# Altium PCB LaserControlBoard (bottom).PcbDoc (part 1 of 3)
Units mm, origin at the board's own origin, x right, y up, seen from the top; angles counter-clockwise.
Board outline 192.5 x 156.5 mm, 2 copper layers (Top Layer, Bottom Layer); 42 components, 313 nets, 114 pads, 1616 vias.
Unrouted connection lines stored in the file: 16.
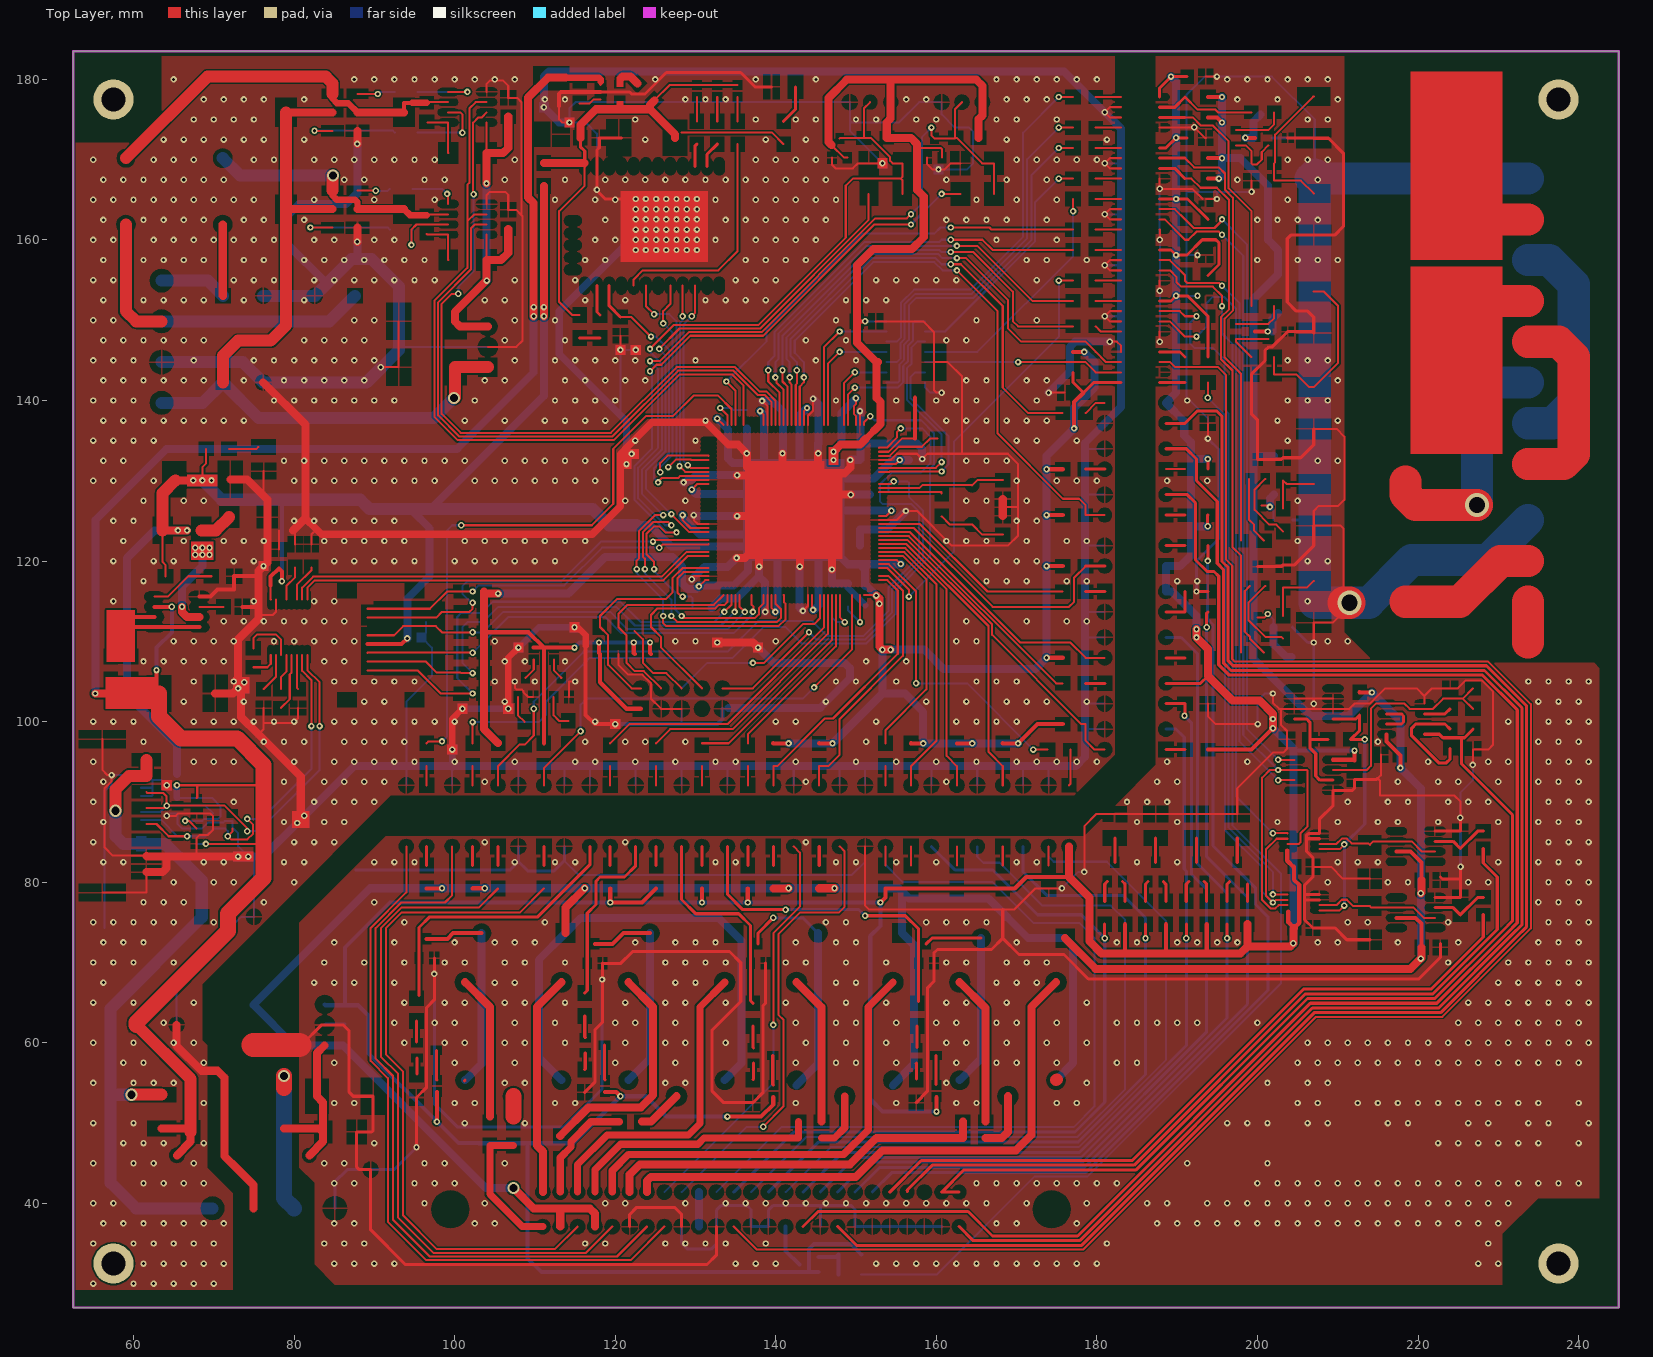
[diagram p0: Top Layer view]
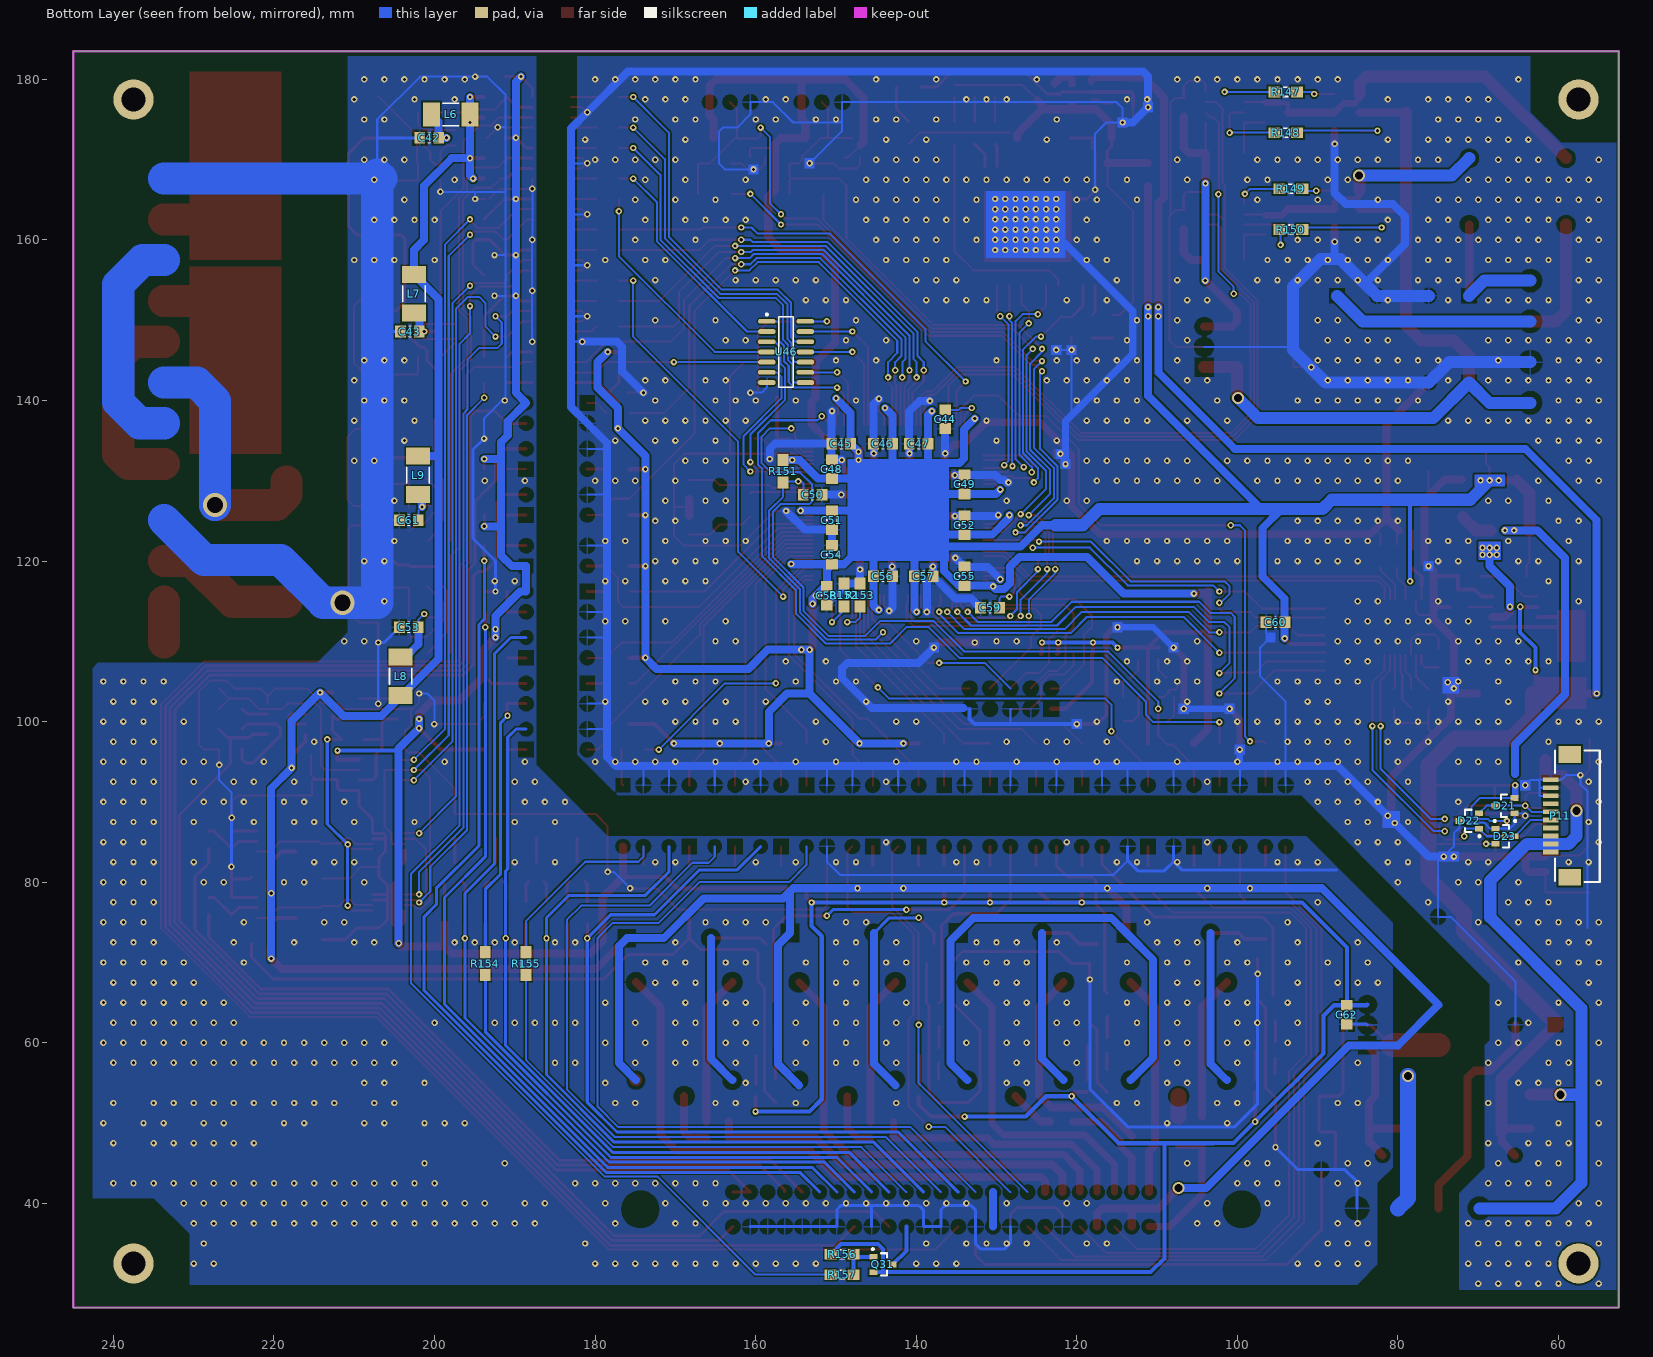
[diagram p1: Bottom Layer view, seen from below]
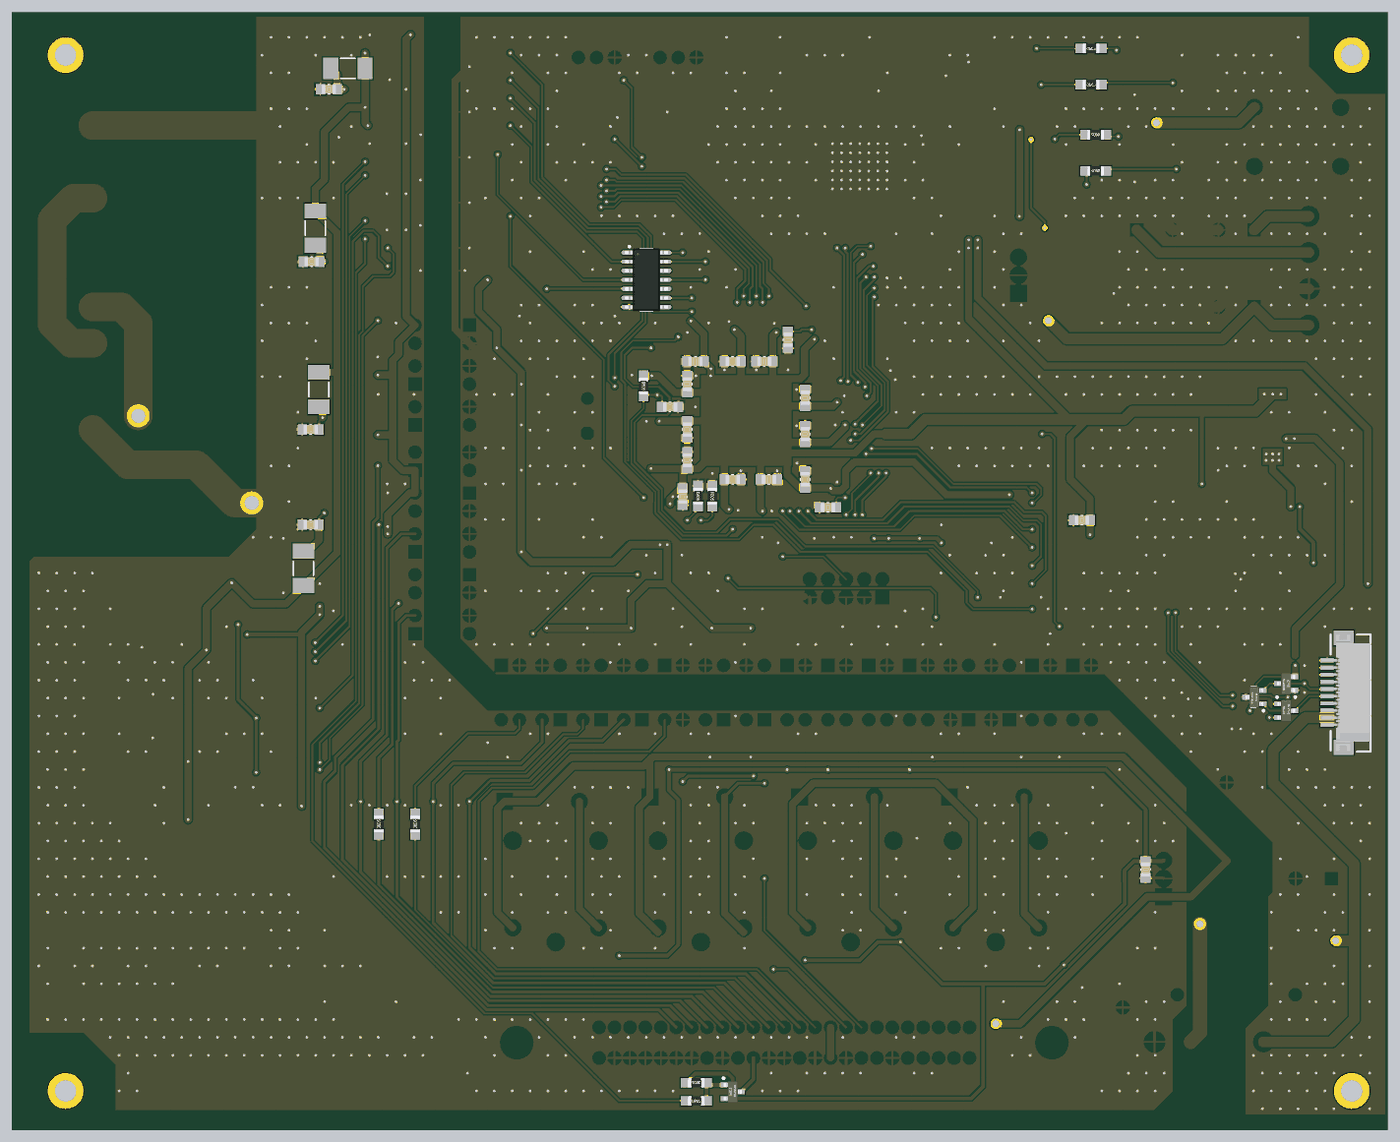
[diagram p4: 3D render of the assembled board from below, using the file's embedded part models]

## Layer stack, top to bottom
Top Solder: solder mask 0.0102, Solder Resist, Dk 3.5
Top Layer: signal copper 0.0356
Dielectric 1: dielectric 0.32, FR-4, Dk 4.8
Bottom Layer: signal copper 0.0356
Bottom Solder: solder mask 0.0102, Solder Resist, Dk 3.5

## Board outline
52.5,27 245,27 245,183.5 52.5,183.5

## Design rules (kind name [scope] priority, off if disabled: settings)
Clearance [All] p1: gap=0.2
DiffPairsRouting [All] p1: maxlimit=0.254 minlimit=0.254 mostfreqgap=0.254 toplayer_minwidth=0.254 toplayer_maxwidth=0.381 toplayer_prefwidth=0.381 bottomlayer_minwidth=0.254 bottomlayer_maxwidth=0.381 bottomlayer_prefwidth=0.381 maxuncoupledlength=12.7
HoleSize [All] p1: absolutevalues=TRUE maxlimit=8 minlimit=0.4 maxpercent=80.000 minpercent=20.000
MinimumSolderMaskSliver [All] p1: minsoldermaskwidth=0
PlaneConnect [InNet('GND')] p1: planeconnectstyle=Relief reliefexpansion=0.508 reliefentries=4 reliefconductorwidth=0.254 reliefairgap=0.254
PlaneConnect PlaneConnect_IGND [InPadClass('All Pads')] p2: planeconnectstyle=Relief reliefexpansion=0.508 reliefentries=4 reliefconductorwidth=0.254 reliefairgap=0.254
PolygonConnect PolygonConnect_IGND_Via [All vs IsVia] p1: connectstyle=Direct reliefconductorwidth=0.254 reliefentries=4 polygonreliefangle="90 Angle" airgapwidth=0.254
PolygonConnect PolygonConnect_IGND [InNet('IGND') vs InNet('IGND')] p2: connectstyle=Relief reliefconductorwidth=0.254 reliefentries=4 polygonreliefangle="90 Angle" airgapwidth=0.254
PolygonConnect [InNet('GND') vs InNet('GND')] p3: connectstyle=Relief reliefconductorwidth=0.254 reliefentries=4 polygonreliefangle="90 Angle" airgapwidth=0.254
RoomDefinition MCU [InComponentClass('MCU')] p1: confinementstyle=ConfineIn formatcopy=TRUE lockcomponents=FALSE outline 172.72,99.06 172.72,182.245 144.145,182.245 144.145,146.05 108.585,146.05 108.585,135.89 83.185,135.89 83.185,99.06 101.092,99.06 101.092,93.345 117.475,93.345 117.475,97.79 138.811,97.79 138.811,99.06
RoomDefinition Peltier [InComponentClass('Peltier')] p2: confinementstyle=ConfineIn formatcopy=TRUE lockcomponents=FALSE outline 244.475,106.68 244.475,182.245 172.72,182.245 172.72,166.37 196.215,166.37 196.415,101.727 205.994,101.727 205.994,106.68
RoomDefinition Audio [InComponentClass('Audio')] p3: confinementstyle=ConfineIn formatcopy=TRUE lockcomponents=FALSE outline 52.578,135.89 108.585,135.89 108.585,182.245 52.578,182.245
RoomDefinition Power [InComponentClass('Power')] p4: confinementstyle=ConfineIn formatcopy=TRUE lockcomponents=FALSE outline 52.705,28.575 91.44,28.575 91.44,42.545 93.98,42.545 93.98,48.26 91.44,48.26 91.44,99.06 83.185,99.06 83.185,135.89 52.705,135.89
RoomDefinition MISC [InComponentClass('MISC')] p5: confinementstyle=ConfineIn formatcopy=TRUE lockcomponents=FALSE outline 91.44,0 181.864,0 181.864,66.675 178.435,66.675 178.435,76.835 149.479,76.835 149.479,99.06 91.44,99.06
RoomDefinition LaserInterface [InComponentClass('LaserInterface')] p6: confinementstyle=ConfineIn formatcopy=TRUE lockcomponents=FALSE outline 244.475,106.68 196.215,106.68 196.215,166.37 172.72,166.37 172.72,123.825 195.58,123.825 195.58,94.615 201.93,94.615 201.93,66.675 244.475,66.675
RoomDefinition LAMP [InComponentClass('LAMP')] p7: confinementstyle=ConfineIn formatcopy=TRUE lockcomponents=FALSE outline 201.93,66.675 201.93,94.615 195.58,94.615 195.58,123.825 172.72,123.825 172.72,99.06 149.479,99.06 149.479,76.835 151.765,76.835 178.435,76.835 178.435,66.675
RoomDefinition WiFi [InComponentClass('WiFi')] p8: confinementstyle=ConfineIn formatcopy=TRUE lockcomponents=FALSE outline 108.585,182.245 108.585,146.05 144.145,146.05 144.145,182.245
RoutingVias [InNetClass('SignalNets')] p1: holewidth=0.5 width=0.9 viastyle="Through Hole" minholewidth=0.4 minwidth=0.8 maxholewidth=4 maxwidth=6
RoutingVias RoutingVias_PowerNets [InNetClass('AnalogPowerNets')] p2: holewidth=1 width=1.4 viastyle="Through Hole" minholewidth=0.5 minwidth=1 maxholewidth=1 maxwidth=1.4
RoutingVias RoutingVias_AnalogPowerNets [InNetClass('AnalogPowerNets')] p3: holewidth=0.5 width=0.9 viastyle="Through Hole" minholewidth=0.5 minwidth=1 maxholewidth=0.7 maxwidth=1.2
RoutingVias RoutingVias_All [All] p4: holewidth=0.4 width=0.8 viastyle="Through Hole" minholewidth=0.4 minwidth=0.8 maxholewidth=1 maxwidth=1.5
SolderMaskExpansion [All] p1: expansion=0.102
Width [InNetClass('SignalNets')] p1: maxlimit=0.254 minlimit=0.254 preferedwidth=0.254
Width Width_AnalogPowerNets [InNetClass('AnalogPowerNet')] p2: maxlimit=1.016 minlimit=0.128 preferedwidth=0.508
Width Width_PowerNets [InNetClass('PowerNet')] p3: maxlimit=2 minlimit=0.254 preferedwidth=1
Width Width_All [All] p4: maxlimit=5 minlimit=0.254 preferedwidth=0.254
26 further rules are at their usual default settings.

## Classes and differential pairs
net class PeltierForcePowerNet: NetP3_1 NetP3_2 NetP3_3 NetP3_5 NetP3_7 NetP5_1 NetP5_3
component class MCU: C44 C45 C46 C47 C48 C49 C50 C51 C52 C54 C55 C56 C57 C58 C59 C60 LED1 R45 R79 R151 R152 R153 U46
net class PowerNet: NetC44_2 NetC59_2 VCC
net class AnalogPowerNet: AVCCMCU
net class Undefined: 5V I5V NetC42_1 NetL1_2 WIFI3V3
component class Peltier: C42 C43 C53 C61 L6 L7 L8 L9
component class MISC: Q24 Q31 R156 R157 U27 U28
component class LAMP: R58 R154 R155
component class Power: C26 C28 C30 C62 D12 D21 D22 D23 P11
component class Audio: R147 R148 R149 R150

## Components (designator, comment, footprint, x,y, rotation, side; value= is the part's Value field where it differs from the comment)
C42 "ChipCap" CAP0805 200.66,172.72 r0 bottom
C43 "ChipCap" CAP0805 203.073,148.59 r0 bottom
C44 "ChipCap" CAP0805 136.398,137.668 r90 bottom
C45 "ChipCap" CAP0805 149.352,134.62 r0 bottom
C46 "ChipCap" CAP0805 144.145,134.62 r0 bottom
C47 "ChipCap" CAP0805 139.7,134.62 r0 bottom
C48 "ChipCap" CAP0805 150.495,131.445 r90 bottom
C49 "ChipCap" CAP0805 133.985,129.54 r90 bottom
C50 "ChipCap" CAP0805 152.908,128.27 r180 bottom
C51 "ChipCap" CAP0805 150.495,125.095 r270 bottom
C52 "ChipCap" CAP0805 133.985,124.46 r270 bottom
C53 "ChipCap" CAP0805 203.2,111.76 r0 bottom
C54 "ChipCap" CAP0805 150.495,120.777 r90 bottom
C55 "ChipCap" CAP0805 133.985,118.11 r90 bottom
C56 "ChipCap" CAP0805 144.145,118.11 r180 bottom
C57 "ChipCap" CAP0805 139.065,118.11 r180 bottom
C58 "ChipCap" CAP0805 151.13,115.697 r270 bottom
C59 "ChipCap" CAP0805 130.81,114.173 r180 bottom
C60 "ChipCap" CAP0805 95.25,112.395 r0 bottom
C61 "ChipCap" CAP0805 203.2,125.095 r0 bottom
C62 "ChipCap" CAP0805 86.36,63.5 r90 bottom
D21 "Diode Schottky" SOT23 66.675,89.535 r0 bottom
D22 "TVS" SOT23 71.12,87.63 r0 bottom
D23 "Diode Schottky" SOT23 66.675,85.725 r180 bottom
L6 "Inductance" CM45 197.993,175.641 r0 bottom
L7 "Inductance" CM45 202.565,153.289 r90 bottom
L8 "Inductance" CM45 204.216,105.664 r270 bottom
L9 "Inductance" CM45 202.057,130.683 r90 bottom
P11 "FPC_Socket" "Molex FPC/FFC 10pin" 58.42,88.265 r90 bottom
Q31 "BC857" SOT23 144.145,32.385 r180 bottom
R147 "ChipRes" RES0805 93.98,178.435 r180 bottom
R148 "ChipRes" RES0805 93.98,173.355 r180 bottom
R149 "ChipRes" RES0805 93.345,166.37 r0 bottom
R150 "ChipRes" RES0805 93.345,161.29 r0 bottom
R151 "ChipRes" RES0805 156.591,131.191 r270 bottom
R152 "ChipRes" RES0805 148.99,115.765 r270 bottom
R153 "ChipRes" RES0805 146.99,115.765 r270 bottom
R154 "ChipRes" RES0805 193.675,69.85 r90 bottom
R155 "ChipRes" RES0805 188.595,69.85 r90 bottom
R156 "ChipRes" RES0805 149.225,33.655 r0 bottom
R157 "ChipRes" RES0805 149.225,31.115 r180 bottom
U46 "SN74AC04D" D014_N 156.21,146.05 r180 bottom

## Footprints (in the part's own frame and the unit in brackets; to place one, negate y for a bottom-side part, rotate by r counter-clockwise, add the part's x,y. Pads: shape width x height; smd on the part's side, far side on the other; paste and mask are expansions set on the pad)
CAP0805 [mm]
  rect 1.35x1.45 smd: 1(-1.175,0) 2(1.175,0)
  silkscreen extent -0.1,-0.63 0.1,0.63, body extent -1,-0.62 1,0.63, height 0.3
CM45 [mm]
  rect 2.1x2.99 smd: 1(-2.405,0) 2(2.405,0)
  silkscreen extent -1,-1.39 1,1.4, body extent -3,-1.5 3,1.5, height 0.55
D014_N [mm] "SOIC, 14-Leads, Body 8.7x3.9mm, Pitch 1.27mm, IPC Medium Density"
  oval 2.2x0.6 smd: 1(-2.4,3.81) 2(-2.4,2.54) 3(-2.4,1.27) 4(-2.4,0) 5(-2.4,-1.27) 6(-2.4,-2.54) 7(-2.4,-3.81) 8(2.4,-3.81) 9(2.4,-2.54) 10(2.4,-1.27) 11(2.4,0) 12(2.4,1.27) 13(2.4,2.54) 14(2.4,3.81)
  silkscreen extent -2.53,-4.4 0.9,4.78, body extent -3,-4.4 3,4.4, height 1.7
"Molex FPC/FFC 10pin" [mm] "Molex FPC/FFC 10pin Non-ZIF Connector 10pin"
  rect 0.6x1.9 smd: 1(-4.5,2.54) 2(-3.5,2.54) 3(-2.5,2.54) 4(-1.5,2.54) 5(-0.5,2.54) 6(0.5,2.54) 7(1.5,2.54) 8(2.5,2.54) 9(3.5,2.54) 10(4.5,2.54)
  rect 2.1x2.8 smd: 11(-7.65,0.19) 12(7.65,0.19)
  silkscreen extent -8.25,-3.56 8.13,2.03, body extent -8.15,-3.53 8.15,3.27, height 3.1
RES0805 [mm] "Chip Resistor, 2-Leads, Body 3.40x1.30mm, IPC Medium Density"
  rect 1.5x1.35 smd: 1(-1.425,0) 2(1.425,0)
  silkscreen extent -0.3,-0.58 0.3,0.58, body extent -1.15,-0.67 1.15,0.68, height 0.76
SOT23 [mm]
  rect 1x0.7 smd: 1(-1.2,0.95) 2(-1.2,-0.95) 3(1.2,0)
  silkscreen extent -1.4,-1.4 0.51,2.03, body extent -1.25,-1.5 1.25,1.5, height 1.09

## Part data
C42 C43 C44 C45 C46 C47 C48 C49 C50 C51 C52 C53 C54 C55 C56 C57 C58 C59 C60 C61 C62: "Capacitor"
D21 D23: library part "Schottky Diode", "2-Diode Schottky"
D22: library part "TVS Diode", "Dual bidirectional voltage supresor"
L6 L7 L8 L9: library part ChipInductance
Q31: "PNP Transistor"
R147 R148 R149 R150 R151 R152 R153 R154 R155 R156 R157: "Chip resistor"
U46: "Hex Inverter"

## Free pads (board coordinates)
  round 5 hole 3: H(57.5,32.5) H(57.5,177.5) H(237.5,32.5) H(237.5,177.5)

## Via types
v1: diameter 0.8, hole 0.4, Top Layer to Bottom Layer, tented both sides, 1606 vias
v2: diameter 1.5, hole 1, Top Layer to Bottom Layer, 6 vias
v3: diameter 3, hole 2, Top Layer to Bottom Layer, 2 vias
v4: diameter 0.8, hole 0.4, Top Layer to Bottom Layer, 2 vias

## Nets (pads, with @x,y where several pads share a name; then routed paths per layer and width w, separated by ;. In a path a pad name is that pad's centre, name@x,y a point inside that pad or via, vN(x,y) a via of type N, cw(c..) or ccw(c..) an arc to the next point about the centre after c; other vN are vias at no path point)
5V: D21.2 D23.2 | length 261.8
  Top Layer w0.254: v1(65.405,92.075) 67.945,92.075 ; v1(66.43,87.63) 66.92,87.63 67.875,86.675 ; 67.875,90.485 67.945,90.555 67.945,92.075 ; v1(69.022,84.775) 75.438,84.775 ; 75.438,92.075 67.945,92.075
  Top Layer w0.381: 118.18,179.385 118.18,179.705
  Top Layer w0.5: 62.605,114.3 v1(64.77,114.3) ; v1(62.865,106.426) 62.865,103.815 63.175,103.505
  Top Layer w0.8: 113.792,180.21 117.986,180.21 118.18,180.016 118.18,179.705
  Top Layer w1: v1(55.245,103.505) 57.658,103.505 ; 63.5,49.335 66.675,49.335 67.115,48.895 67.115,47.684 65.405,45.974 ; v1(109.855,150.495) v1(109.855,151.638) 109.855,164.592 109.158,165.289 109.158,177.738 111.63,180.21 113.792,180.21
  Top Layer w1.5: 60.365,62.23 67.115,55.48 67.115,48.895
  Top Layer w2: 60.365,62.23 60.365,62.524 71.755,73.914 71.755,76.073 76.222,80.54 76.222,94.593 72.898,97.917 65.913,97.917 63.175,100.655 63.175,103.505
  Bottom Layer w0.254: D21.2@65.475,90.485 69.789,90.485 70.866,89.408 70.866,88.214 70.536,87.884 68.834,87.884 68.58,87.63 v1(66.43,87.63) ; D23.2@67.875,84.775 v1(69.022,84.775)
  Bottom Layer w0.5: v1(62.865,106.426) 62.865,109.22 64.77,111.125 v1(64.77,114.3)
  Bottom Layer w0.8: v1(65.405,92.075) 65.405,90.555 D21.2@65.475,90.485
  Bottom Layer w1: v1(55.245,103.505) 55.245,125.095 64.135,133.985 100.33,133.985 109.855,143.51 v1(109.855,150.495) v1(109.855,151.638)
12V: L6.1 L7.2 L8.2 L9.2 | length 518.5
  Top Layer w0.5: 96.519,79.22 98.397,79.22 v1(98.425,79.248) ; 102.235,79.22 102.263,79.248 v1(103.759,79.248) ; 193.83,167.64 v1(195.199,167.64) ; 193.83,170.18 v1(195.58,170.18) ; 193.83,175.26 194.945,175.26 v1(195.58,174.625) ; 193.83,177.8 v1(195.58,177.8) ; 212.725,103.66 212.753,103.632 v1(214.249,103.632) ; 216.09,98.425 216.09,97.505 217.71,95.885 217.805,95.79 v1(217.805,94.234) ; 217.31,75.565 219.71,75.565 220.44,74.835 220.44,72.39 ; 217.31,83.82 219.075,83.82 220.44,82.455 220.44,80.645
  Top Layer w1: 78.74,49.335 83.185,49.335 83.625,48.895 ; 81.915,45.974 83.625,47.684 83.625,48.895 ; 83.82,59.69 82.86,58.73 82.86,53.34 83.625,52.575 83.625,48.895 ; v2(107.315,41.91) 109.855,39.37 113.157,39.37 ; 113.158,37.112 113.158,39.369 113.157,39.37 ; 113.815,73.66 113.815,76.858 v1(116.205,79.248) ; 117.478,37.112 117.478,38.732 116.84,39.37 113.157,39.37 ; 139.7,79.22 141.577,79.22 v1(141.605,79.248) ; 145.415,79.22 145.443,79.248 v1(147.32,79.248) ; 176.045,73.025 179.855,69.215 219.075,69.215 v1(220.345,70.485) 220.44,70.58 220.44,71.882 ; v1(220.345,78.613) 220.44,78.708 220.44,80.264
  Top Layer w1.5: 174.91,55.34 175.01,55.44
  Bottom Layer w1: v2(107.315,41.91) 103.886,41.91 86.106,59.69 83.82,59.69 79.97,59.69 74.93,64.73 89.448,79.248 v1(98.425,79.248) v1(103.759,79.248) v1@115.951,79.248 ; 113.315,55.34 110.49,58.165 110.49,70.335 113.815,73.66 115.72,75.565 132.865,75.565 134.77,73.66 135.763,72.667 135.763,57.468 133.635,55.34 ; v1@115.974,79.225 v1@115.951,79.248 ; 154.59,54.705 157.226,57.341 157.226,72.159 155.725,73.66 155.725,78.844 ; 174.91,55.34 177.038,57.468 177.038,72.032 176.045,73.025 171.45,73.025 166.497,77.978 156.591,77.978 155.725,78.844 ; v1(195.199,167.64) 195.58,168.021 v1(195.58,170.18) ; v1(195.58,177.8) v1(195.58,174.625) v1(195.58,170.18) ; L9.2@202.057,133.088 202.049,133.096 199.512,133.096 ; v1(220.345,70.485) v1(220.345,78.613) 220.345,91.694 v1(217.805,94.234) 217.805,100.076 v1(214.249,103.632) 211.328,100.711 206.629,100.711 199.517,107.823 199.517,123.698 199.512,123.703 199.512,133.096 ; v1@115.951,79.248 v1(116.205,79.248) v1(141.605,79.248) v1(147.32,79.248) 155.321,79.248 155.725,78.844 ; v1(195.58,170.18) 197.866,170.18 201.295,166.751 201.295,160.02 202.565,158.75 L7.2@202.565,155.694 199.512,152.641 199.512,133.096
15V:  | length 4.3
  Bottom Layer w1: 130.438,37.112 130.438,41.402
+12VDC:  | length 49.5
  Top Layer w0.254: 103.975,157.48 104,157.505 104,160.655 ; 103.975,170.815 104,170.84 104,174.625
  Top Layer w1: v1(103.975,167.043) 103.975,170.815 106.045,170.815 106.68,171.45 106.68,175.355 ; 104.14,149.225 100.655,149.225 100.02,149.86 100.02,151.023 103.975,154.978 103.975,157.48 105.791,157.48 106.68,158.369 106.68,161.385
  Bottom Layer w1: v1(103.975,167.043) 103.975,154.978 v1(104.013,154.94)
ADC_PRESSURE: 
AREL1:  | length 17.3
  Top Layer w0.9: 107.315,47.216 104.394,47.216 104.394,41.148 108.43,37.112 110.998,37.112
AREL2:  | length 27.7
  Top Layer w1: 110.998,41.402 110.998,46.454 110.236,47.216 110.236,50.8 110.236,64.461 113.315,67.54
AVCCMCU:  | length 10.3
  Top Layer w0.254: 152.84,133.615 154.062,133.615 155.702,135.255 157.325,135.255
  Top Layer w0.524: 157.325,135.255 157.345,135.275 157.345,140.335
BREL1:  | length 13.9
  Top Layer w0.9: 113.158,41.402 113.157,41.403 113.157,45.565 113.157,45.69 114.482,47.015 114.482,47.68 116.967,50.165 120.495,50.165
BREL2:  | length 39.7
  Top Layer w0.9: 115.318,41.402 115.318,44.833 118.999,48.514 129.131,48.514 130.556,49.939 130.556,64.461 133.635,67.54
CH_LASER_AIN:  | length 5.2
  Top Layer w0.384: 216.09,99.695 217.932,99.695 218.186,99.949 218.186,100.711 217.932,100.965 216.09,100.965
CH_NERR:  | length 199.2
  Top Layer w0.384: 143.398,37.112 145.275,38.989 163.957,38.989 167.005,35.941 177.611,35.941 206.593,64.923 222.341,64.923 231.038,73.62 232.359,74.942 232.359,101.468 228.036,105.791 196.486,105.791 196.469,105.791 195.174,107.086 195.174,118.11 194.59,118.694 193.726,118.694 192.278,120.142 192.278,127.254 191.262,128.27 188.595,128.27
CH_PULSE: Q31.1 R156.1 R157.2 | length 5.1
  Bottom Layer w0.5: Q31.1@145.345,33.335 147.48,33.335 R156.1@147.8,33.655 R157.2@147.8,31.115
COOL_PWM: U46.13 | length 18.3
  Top Layer w0.254: 145.99,136.965 145.99,142.935 145.99,146.625 v1(147.955,148.59)
  Bottom Layer w0.254: v1(147.955,148.59) U46.13@153.81,148.59
CREL1:  | length 31.8
  Top Layer w0.9: 117.478,41.402 117.478,44.199 120.65,47.371 130.302,47.371 131.064,48.133 142.847,48.133 142.847,50.165
CREL2:  | length 56.3
  Top Layer w0.9: 119.638,41.402 119.638,44.073 121.666,46.101 148.463,46.101 151.511,49.149 151.511,64.461 154.59,67.54
DAC_CS:  | length 54.9
  Top Layer w0.254: v1(139.065,143.764) 139.065,142.367 140.49,140.942 140.49,136.965 ; v1(161.798,160.02) 165.735,160.02 167.005,158.75 177.01,158.75
  Bottom Layer w0.254: v1(139.065,143.764) 139.065,144.78 139.827,145.542 139.827,148.499 151.094,159.766 160.401,159.766 160.655,160.02 v1(161.798,160.02)
DAC_MOSI: U46.4 | length 30.5
  Top Layer w0.254: 177.01,165.1 177.01,163.604 v1(177.038,163.576)
  Bottom Layer w0.254: U46.4@158.61,146.05 165.1,146.05 177.038,157.988 v1(177.038,163.576)
DAC_SCK:  | length 58
  Top Layer w0.254: v1(133.858,142.367) 134.99,141.235 134.99,136.965 ; v1(161.798,161.544) 166.624,161.544 166.878,161.29 177.01,161.29
  Bottom Layer w0.254: v1(133.858,142.367) 138.865,147.374 138.865,148.898 150.749,160.782 159.759,160.782 160.521,161.544 v1(161.798,161.544)
DREL1:  | length 47.6
  Top Layer w1: 121.798,41.402 121.798,43.566 123.063,44.831 149.225,44.831 152.527,48.133 163.294,48.133 163.294,50.165
DREL2:  | length 71.9
  Top Layer w1: 123.958,41.402 123.958,42.805 124.439,43.286 149.966,43.286 153.289,46.609 169.926,46.609 171.831,48.514 171.831,64.461 174.91,67.54
DWIN_BUSY: 
DWIN_RX:  | length 53.1
  Top Layer w0.254: 81.65,115.21 81.65,116.695 82.557,117.602 125.991,117.602 129.004,120.615 131.64,120.615
DWIN_TX:  | length 54
  Top Layer w0.254: 81,115.21 81,116.687 82.369,118.056 125.803,118.056 128.862,121.115 131.64,121.115
FAN_PWM1: U46.9 | length 11.1
  Top Layer w0.254: 148.49,136.965 148.49,142.14 v1(149.86,143.51)
  Bottom Layer w0.254: v1(149.86,143.51) U46.9@153.81,143.51
FAN_PWM2: U46.1 | length 20.7
  Top Layer w0.254: 148.99,136.965 148.99,140.735 v1(149.86,141.605)
  Bottom Layer w0.254: v1(149.86,141.605) 155.194,141.605 155.375,141.786 155.382,141.786 155.883,142.287 155.883,144.312 156.475,144.903 156.475,146.801 157.099,147.426 157.099,149.606 157.353,149.86 U46.1@158.61,149.86
FEEDBACK:  | length 8.1
  Top Layer w0.254: 62.605,115.57 64.29,115.57 66.83,118.11 69.695,118.11
FLOW1:  | length 103.4
  Top Layer w0.254: 105.409,92.075 105.409,94.46 108.076,97.127 108.712,97.127 109.855,98.27 v1(109.855,101.6) ; 152.84,134.115 152.863,134.138 153.855,134.138 155.086,135.369 155.086,136.036 v1(155.575,136.525)
  Bottom Layer w0.254: v1(109.855,101.6) 109.855,102.489 116.078,108.712 133.985,108.712 137.795,112.522 144.526,112.522 146.358,110.69 150.942,110.69 154.051,113.799 154.051,114.514 154.048,114.517 154.048,116.71 157.861,120.523 157.861,126.111 156.845,127.127 153.289,127.127 152.971,127.444 152.971,129.54 154.495,131.064 158.115,131.064 159.258,132.207 159.258,135.509 158.242,136.525 v1(155.575,136.525)
FLOW2:  | length 55.4
  Top Layer w0.254: 111.125,92.075 111.125,94.234 111.153,94.234 114.173,97.254 115.697,98.778 v1(115.697,98.806) ; v1(144.78,104.267) 149.49,108.977 149.49,115.765
  Bottom Layer w0.254: v1(115.697,98.806) 115.697,102.108 116.459,102.87 143.383,102.87 v1(144.78,104.267)
FLOW_SEN1:  | length 83.5
  Top Layer w0.254: 105.409,79.22 103.024,76.835 93.359,76.835 90.805,74.281 90.805,58.284 92.964,56.125 92.964,38.218 97.346,33.836 116.362,33.836 119.638,37.112
FLOW_SEN2:  | length 83
  Top Layer w0.254: 111.125,79.22 108.105,76.2 93.366,76.2 91.44,74.274 91.44,58.547 93.599,56.388 93.599,38.481 97.79,34.29 112.496,34.29 115.318,37.112
FOOTSW1:  | length 64.8
  Top Layer w0.254: v1(141.732,142.875) 141.732,142.244 141.99,141.986 141.99,136.965 ; v1(162.56,157.734) 163.703,157.734 168.91,152.527 168.91,148.99 170.58,147.32 178.59,147.32 179.86,146.05 181.13,144.78 183.02,144.78
  Bottom Layer w0.254: v1(141.732,142.875) 141.732,144.78 141.351,145.161 141.351,147.868 151.725,158.242 160.22,158.242 160.728,157.734 v1(162.56,157.734)
FOOTSW2: 
GND: C44.1 C45.2 C46.2 C47.2 C48.2 C49.2 C50.2 C51.2 C52.1 C54.2 C55.2 C56.2 C57.2 C58.2 C59.1 C60.2 D21.1 D22.3 D23.1 P11.8 P11.9 P11.10 R152.1 R153.1 U46.7 | length 1431.3
  Top Layer w0.254: 56.115,78.715 61.57,78.715 61.595,78.74 61.595,81.25 ; 56.115,97.815 56.115,93.999 56.769,93.345 v1(57.277,93.345) 57.277,92.582 56.388,91.693 56.388,84.333 57.409,83.312 61.533,83.312 61.595,83.25 ; v1(64.135,88.265) 65.278,88.265 65.598,88.585 67.875,88.585 69.53,88.585 69.92,88.195 69.92,87.63 69.92,86.557 69.215,85.852 68.199,85.852 67.875,85.528 67.875,84.775 67.875,83.242 67.818,83.185 ; v1(64.135,92.075) v1@64.377,92.075 ; 72.517,118.082 72.545,118.11 ; 75.565,98.425 76.2,99.06 76.2,99.822 ; 75.565,113.284 77.343,113.284 77.75,113.691 77.75,115.21 ; 76.073,128.27 76.073,128.397 76.2,128.524 76.2,131.215 ; 76.2,101.695 76.2,99.822 ; 78.105,121.444 78.105,123.825 ; 79.883,123.825 80.137,123.571 80.137,122.075 ; 80.518,101.695 80.518,100.457 79.883,99.822 76.2,99.822 ; 82.169,122.075 82.169,123.317 82.804,123.952 ; v1(90.805,144.145) 93.02,144.145 93.02,149.86 ; 104,164.465 104,165.595 104.394,165.989 106.299,165.989 106.68,165.608 106.68,163.735 107.664,163.735 108.331,163.068 ; 104,178.435 104,179.438 104.394,179.832 106.045,179.832 106.68,179.197 106.68,177.705 107.791,177.705 108.331,177.165 108.331,163.068 ; 104.14,146.685 107.696,146.685 108.458,147.447 108.458,162.941 108.331,163.068 ; v1(107.5,105) 107.5,104.209 107.696,104.013 108.363,104.013 108.566,103.81 108.566,103.651 109.15,103.067 109.789,103.067 ; 113.03,176.66 113.03,175.006 113.411,174.625 v1(114.3,174.625) ; 114.234,103.067 114.234,104.963 114.271,105 v1(115,105) ; 120.396,108.43 120.396,107.061 121.612,105.845 123.383,105.845 124.46,104.768 124.46,102.87 125.73,101.6 128.27,101.6 ; v1(120.65,146.304) 120.65,148.05 ; 121.666,134.366 121.666,133.985 122.047,133.604 v1(122.047,133.35) ; v1(128.524,129.794) 128.845,130.115 131.64,130.115 ; v1(129.54,117.729) 129.54,117.856 129.799,118.115 131.64,118.115 ; v1(129.794,125.73) 129.794,125.095 130.274,124.615 131.64,124.615 ; v1(138.303,139.954) 138.99,139.267 138.99,136.965 138.967,136.942 ; v1(138.684,113.665) 138.99,113.971 138.99,115.765 ; v1(143.383,113.792) 143.99,114.399 143.99,115.765 ; 143.99,136.965 143.99,138.065 144.668,138.743 144.668,140.193 v1(144.653,140.208) ; 147.005,170.25 147.005,169.352 147.447,168.91 149.606,168.91 150.241,169.545 151.57,169.545 v1(153.289,169.545) ; 150.49,136.965 150.49,138.679 v1(150.495,138.684) ; 152.432,149.86 158.369,149.86 159.71,148.519 159.71,144.78 ; 152.84,125.115 155.087,125.115 v1(156.21,126.238) 157.607,126.238 161.925,121.92 168.91,121.92 170.18,123.19 170.18,126.746 ; 152.84,132.615 154.346,132.615 155.096,133.365 157.592,133.365 v1(158.242,132.715) 158.892,133.365 163.195,133.365 ; 158.816,170.25 158.816,169.479 159.512,168.783 v1(160.274,168.783) 161.036,168.783 161.798,169.545 163,169.545 ; v1(160.655,140.97) 160.02,140.97 159.71,141.28 159.71,144.78 ; 168.275,126.746 170.18,126.746 ; v1(173.99,140.97) 175.99,140.97 ; v1(181.61,147.32) 182.499,147.32 183.02,146.799 183.02,146.05 ; 183.02,149.86 181.61,149.86 v1(180.975,150.495) 181.61,151.13 183.02,151.13 ; 183.02,156.21 181.61,156.21 v1(180.975,156.845) 181.61,157.48 183.02,157.48 ; 183.02,162.56 181.61,162.56 v1(180.975,163.195) 181.61,163.83 183.02,163.83 ; 183.02,168.91 181.61,168.91 v1(180.975,169.545) 181.61,170.18 183.02,170.18 ; 183.02,175.26 181.61,175.26 v1(180.975,175.895) 181.61,176.53 183.02,176.53 ; 159.71,144.78 161.417,144.78 163.195,143.002 163.195,133.365 ; 163.195,133.365 168.895,133.365 170.18,132.08 170.18,126.746
  Top Layer w0.381: 118.18,178.435 121.798,178.435 122.047,178.186 123.703,178.186 126.365,180.848 135.636,180.848 137.414,179.07 139.47,179.07 ; 120.78,172.72 118.015,172.72 118.015,171.482 117.729,171.196 117.729,169.175 v1(117.729,166.243) 117.729,166.116 118.745,165.1 122.745,165.1 126.105,161.74
  Top Layer w0.5: 68.205,115.57 69.596,115.57 70.485,116.459 72.517,116.459 72.517,118.082 ; 72.545,118.11 75.565,118.11 ; 73.565,114.3 75.565,114.3 ; 113.03,176.66 113.03,178.181 113.256,178.407 114.25,178.407 114.278,178.435 118.18,178.435 ; 116.332,109.474 116.332,100.838 117.475,99.695 v1(120.015,99.695)
  Top Layer w0.8: v1(99.695,96.52) 99.695,100.33 v1(100.965,101.6) ; v1(106.68,101.6) 106.68,107.95 v1(107.95,109.22) ; v1(114.935,111.76) 115.316,111.76 116.332,110.744 116.332,109.474
  Top Layer w0.9: 81.407,125.349 82.804,123.952 83.424,123.332 117.153,123.332 120.65,126.829 120.65,132.08 ; v1(121.412,132.08) 120.65,132.08 ; 134.112,134.493 131.318,137.287 124.587,137.287 121.666,134.366 120.65,133.35 120.65,132.08
  Top Layer w1: 61.595,81.25 63.597,81.25 64.135,81.788 64.135,83.185 ; 61.595,83.25 61.66,83.185 64.135,83.185 ; 65.365,62.23 65.365,59.603 68.453,56.515 70.485,56.515 71.315,55.685 71.315,48.895 71.315,45.906 73.025,44.196 74.93,42.291 74.93,39.37 ; 70.175,103.505 72.39,103.505 v1(73.025,104.14) ; 72.08,130.175 74.168,130.175 76.073,128.27 76.67,127.673 76.67,119.85 v1(76.2,119.38) 75.565,118.745 75.565,118.11 75.565,114.3 75.565,113.284 75.565,112.776 73.025,110.236 v1(73.025,104.14) ; 73.406,104.521 73.406,100.584 75.565,98.425 80.835,93.154 80.835,87.82 ; v1(73.787,104.902) v1(73.025,104.14) ; v1(74.295,83.185) v1(73.025,83.185) 67.818,83.185 64.135,83.185 ; 76.16,142.24 81.407,136.993 81.407,125.349 79.883,123.825 ; v1(80.391,87.376) v1(81.28,88.265) ; v1(87.884,159.766) 87.905,159.787 87.905,161.53 ; v1(87.884,171.958) 87.905,171.979 87.905,173.595 ; v1(132.715,109.855) 137.16,109.855 v1(137.795,109.22) ; 134.112,134.493 135.32,134.493 v1(136.398,133.415) 136.398,131.699 ; v1(135.128,120.396) 136.144,120.396 137.414,121.666 ; v1(135.19,125.603) 137.16,125.603 ; v1(135.19,130.683) 136.652,130.683 ; v1(137.922,119.315) 137.922,120.777 ; 140.843,131.953 v1(140.843,133.415) ; v1(143.002,119.315) 143.002,120.777 ; 145.288,132.207 v1(145.288,133.415) ; 146.939,121.412 146.99,121.361 v1(146.99,118.948) ; 147.574,128.27 v1(149.352,128.27) ; 147.701,130.937 148.59,130.937 149.29,131.637 v1(149.29,132.588) ; 168.275,125.635 168.275,126.746 168.275,127.73
  Bottom Layer w0.254: 56.388,74.295 56.388,91.313 57.277,92.202 v1(57.277,93.345) 59.055,93.345 59.635,92.765 P11.10@60.96,92.765 62.302,92.765 62.357,92.71 ; P11.8@60.96,90.765 62.317,90.765 62.357,90.805 62.357,91.765 ; P11.9@60.96,91.765 62.357,91.765 ; v1(64.135,88.265) 64.455,88.585 D21.1@65.475,88.585 65.475,87.306 66.106,86.675 D23.1@67.875,86.675 68.514,86.675 69.269,87.43 71.174,87.43 71.374,87.63 D22.3@72.32,87.63 72.32,86.811 73.025,86.106 73.025,84.455 v1(74.295,83.185) ; v1(64.135,92.075) 63.5,92.71 62.357,92.71 ; 65.365,62.23 65.365,67.651 73.406,75.692 75.005,75.692 75.005,83.11 74.93,83.185 ; 93.091,146.304 93.472,146.685 104.14,146.685 ; 93.979,92.075 93.979,94.487 93.979,102.488 97.155,105.664 97.155,109.22 95.885,110.49 96.425,111.03 C60.2@96.425,112.395 ; 99.695,92.075 99.695,94.234 ; 107.949,92.075 107.949,94.487 ; 113.665,92.075 113.665,94.488 ; 116.839,92.075 116.839,94.487 ; v1(117.729,166.243) 117.729,173.228 116.332,174.625 v1(114.3,174.625) 114.3,176.403 115.062,177.165 149.225,177.165 149.225,174.879 ; 120.65,138.303 v1(120.65,146.304) v1(122.555,146.304) ; 122.554,92.075 122.554,94.487 ; 128.27,92.076 128.27,94.488 ; 128.27,101.6 128.27,99.822 128.397,99.695 ; 133.984,92.075 133.984,94.487 ; 142.24,92.075 142.24,94.488 ; 147.955,92.075 147.955,94.488 ; 151.13,92.075 151.13,94.361 151.257,94.488 ; v1(153.289,169.545) 149.225,173.609 149.225,174.879 ; U46.7@158.61,142.24 158.61,141.618 159.258,140.97 v1(160.655,140.97) ; 159.385,92.075 159.385,94.488 ; v1(160.274,168.783) 163.83,168.783 164.592,169.545 164.592,173.482 164.084,173.99 162.306,173.99 160.655,175.641 160.655,177.165 157.861,177.165 155.321,174.625 149.479,174.625 149.225,174.879 ; 165.1,92.075 165.1,94.488 ; 170.815,92.075 170.815,94.361 170.942,94.488 ; 173.99,92.075 173.99,94.488 ; 178.689,99.06 180.975,99.06 ; v1@178.689,102.235 180.975,102.235 ; 178.689,110.49 180.975,110.49 ; 178.689,113.665 180.975,113.665 ; 178.689,122.047 178.816,121.92 180.975,121.92 ; 178.689,128.397 178.816,128.27 180.975,128.27 ; 178.689,133.985 180.975,133.985 ; v1(180.975,150.495) 183.007,150.495 ; v1(180.975,156.845) 183.007,156.845 ; v1(180.975,163.195) 183.007,163.195 ; v1(180.975,169.545) 183.007,169.545 ; v1(181.61,147.32) 182.88,147.32 ; 62.357,91.765 62.357,92.71
  Bottom Layer w0.5: v1(120.015,99.695) 128.397,99.695 132.715,99.695 133.35,100.33 133.35,101.6
  Bottom Layer w0.8: 99.695,94.234 99.695,94.488 v1(99.695,96.52) ; v1(100.965,101.6) v1(106.68,101.6) ; v1(107.95,109.22) 110.49,111.76 v1(114.935,111.76) ; R152.1@148.99,117.19 148.99,116.662 C58.2@151.13,114.522
  Bottom Layer w0.9: v1(121.412,132.08) 121.412,137.414 113.03,145.796 113.03,151.13 122.555,160.655 124.333,160.655
  Bottom Layer w1: v1(73.025,83.185) v1(74.295,83.185) 74.93,83.185 76.2,83.185 v1(80.391,87.376) v1(81.28,88.265) 87.502,94.487 93.979,94.487 ; v1(73.025,104.14) v1(73.787,104.902) ; 84.157,154.603 84.03,154.603 79.121,159.512 79.121,162.941 80.645,164.465 86.487,164.465 87.884,165.862 v1(87.884,171.958) ; 87.884,158.329 v1(87.884,159.766) ; 93.98,94.488 99.695,94.488 107.95,94.488 113.665,94.488 116.84,94.488 122.555,94.488 128.27,94.488 133.985,94.488 142.24,94.488 147.955,94.488 151.257,94.488 159.385,94.488 165.1,94.488 170.942,94.488 173.99,94.488 177.419,94.488 178.498,95.567 178.498,134.683 180.975,137.16 183.007,139.192 183.007,150.495 183.007,156.845 183.007,163.195 183.007,169.545 183.007,173.863 v1(180.975,175.895) 175.895,180.975 111.76,180.975 111.125,180.34 v1(111.125,176.53) 113.03,174.625 v1(114.3,174.625) ; v1(128.524,129.794) 128.732,129.794 129.043,130.105 129.501,130.105 130.111,130.715 C49.2@133.985,130.715 135.158,130.715 v1(135.19,130.683) ; v1(129.54,117.729) 131.096,119.285 C55.2@133.985,119.285 135.096,120.396 v1(135.128,120.396) ; v1(129.794,125.73) 129.889,125.635 C52.1@133.985,125.635 135.158,125.635 v1(135.19,125.603) ; C59.1@131.985,114.173 133.128,115.316 135.096,115.316 C57.2@137.89,118.11 ; 134.112,101.727 145.542,101.727 149.225,105.41 149.225,106.68 148.59,107.315 139.7,107.315 v1(137.795,109.22) ; v1(136.398,133.415) 136.43,133.447 136.43,136.461 C44.1@136.398,136.493 ; v1(137.922,119.315) 137.89,119.283 C57.2@137.89,118.11 ; v1(138.303,139.954) 139.573,139.954 140.875,138.652 C47.2@140.875,134.62 140.875,133.447 v1(140.843,133.415) ; v1(138.684,113.665) 138.684,117.316 C57.2@137.89,118.11 ; v1(143.002,119.315) 142.97,119.283 C56.2@142.97,118.11 142.97,114.205 v1(143.383,113.792) ; v1(144.653,140.208) 145.32,139.541 C46.2@145.32,134.62 ; v1(145.288,133.415) C46.2@145.288,134.62 ; v1(146.99,118.948) R153.1@146.99,117.19 R152.1@148.99,117.19 ; v1(149.29,132.588) 149.322,132.62 C48.2@150.495,132.62 150.527,132.652 C45.2@150.527,134.62 ; v1(149.352,128.27) C50.2@151.733,128.27 ; C54.2@150.495,121.952 C51.2@150.495,123.92 153.892,123.92 v1(156.21,126.238) ; v1(150.495,138.684) 150.527,138.652 C45.2@150.527,134.62 ; v1(158.242,132.715) 158.242,133.985 157.607,134.62 C45.2@150.527,134.62 ; v1(173.99,140.97) 176.657,143.637 176.657,146.685 177.292,147.32 v1(181.61,147.32)
  Bottom Layer w1.5: 63.5,144.78 73.62,144.78 76.16,142.24 89.027,142.24 93.091,146.304 93.091,154.178 89.662,157.607 87.162,157.607 84.157,154.603 82.59,153.035 76.16,153.035
  other v1: 55,30 60,30 62.5,30 65,30 67.5,30 70,30 61.25,32.5 63.75,32.5 66.25,32.5 68.75,32.5 71.25,32.5 55,35 60,35 62.5,35 65,35 67.5,35 70,35 56.25,37.5 58.75,37.5 61.25,37.5 63.75,37.5 66.25,37.5 68.75,37.5 71.25,37.5 55,40 57.5,40 61.25,42.5 63.75,42.5 66.25,42.5 68.75,42.5 55,45 60,45 62.5,45 67.5,45 58.75,47.5 61.25,47.5 63.75,47.5 68.75,47.5 55,50 60,50 68.75,52.5 55,55 60,55 62.5,55 65,55 58.75,57.5 61.25,57.5 68.75,57.5 55,60 60,60 65,60 67.5,60 63.75,62.5 55,65 60,65 67.5,65 56.25,67.5 55,70 57.5,70 60,70 65,70 56.25,72.5 58.75,72.5 61.25,72.5 55,75 57.5,75 60,75 62.5,75 65,75 70,75 61.25,77.5 63.75,77.5 66.25,77.5 76.25,77.5 65,80 70,80 72.5,80 80,80 56.25,82.5 58.75,82.5 68.75,82.5 71.25,82.5 78.75,82.5 81.25,82.5 55,85 80,85 82.5,85 85,85 56.25,87.5 78.75,87.5 83.75,87.5 86.25,87.5 55,90 72.5,90 82.5,90 85,90 87.5,90 90,90 56.25,92.5 78.75,92.5 83.75,92.5 86.25,92.5 88.75,92.5 91.25,92.5 103.75,92.5 143.75,92.5 161.25,92.5 55,95 67.5,95 70,95 72.5,95 80,95 85,95 87.5,95 90,95 92.5,95 95,95 100,95 107.5,95 115,95 117.5,95 122.5,95 127.5,95 132.5,95 135,95 142.5,95 150,95 155,95 160,95 165,95 170,95 172.5,95 175,95 177.5,95 180,95 61.25,97.5 76.25,97.5 78.75,97.5 81.25,97.5 86.25,97.5 88.75,97.5 91.25,97.5 93.75,97.5 116.25,97.5 121.25,97.5 123.75,97.5 128.75,97.5 151.25,97.5 55,100 57.5,100 60,100 67.5,100 70,100 72.5,100 75,100 77.5,100 80,100 85,100 87.5,100 90,100 92.5,100 95,100 97.5,100 100,100 117.5,100 140,100 142.5,100 152.5,100 162.5,100 165,100 167.5,100 170,100 66.25,102.5 73.75,102.5 88.75,102.5 91.25,102.5 106.25,102.5 146.25,102.5 158.75,102.5 163.75,102.5 168.75,102.5 171.25,102.5 173.75,102.5 178.75,102.5 67.5,105 72.5,105 85,105 87.5,105 90,105 92.5,105 95,105 105,105 110,105 147.5,105 150,105 155,105 165,105 167.5,105 170,105 61.25,107.5 63.75,107.5 66.25,107.5 68.75,107.5 71.25,107.5 83.75,107.5 86.25,107.5 106.25,107.5 108.75,107.5 113.75,107.5 151.25,107.5 156.25,107.5 65,110 67.5,110 70,110 72.5,110 77.5,110 80,110 82.5,110 85,110 87.5,110 105,110 127.5,110 130,110 140,110 162.5,110 165,110 71.25,112.5 73.75,112.5 76.25,112.5 78.75,112.5 81.25,112.5 83.75,112.5 86.25,112.5 163.75,112.5 171.25,112.5 176.25,112.5 178.75,112.5 57.5,115 75,115 82.5,115 85,115 61.25,117.5 166.25,117.5 168.75,117.5 171.25,117.5 176.25,117.5 178.75,117.5 57.5,120 62.5,120 65,120 72.5,120 75,120 85,120 87.5,120 90,120 92.5,120 95,120 100,120 102.5,120 105,120 107.5,120 110,120 112.5,120 165,120 167.5,120 170,120 172.5,120 58.75,122.5 66.25,122.5 71.25,122.5 73.75,122.5 76.25,122.5 83.75,122.5 86.25,122.5 88.75,122.5 91.25,122.5 93.75,122.5 101.25,122.5 103.75,122.5 106.25,122.5 108.75,122.5 111.25,122.5 113.75,122.5 116.25,122.5 161.25,122.5 163.75,122.5 166.25,122.5 171.25,122.5 176.25,122.5 178.75,122.5 57.5,125 60,125 80,125 82.5,125 85,125 87.5,125 90,125 92.5,125 170,125 172.5,125 61.25,127.5 66.25,127.5 68.75,127.5 118.75,127.5 121.25,127.5 128.75,127.5 163.75,127.5 166.25,127.5 171.25,127.5 55,130 57.5,130 62.5,130 80,130 82.5,130 85,130 87.5,130 90,130 92.5,130 95,130 97.5,130 102.5,130 105,130 107.5,130 110,130 112.5,130 115,130 117.5,130 170,130 175,130 177.5,130 180,130 56.25,132.5 58.75,132.5 78.75,132.5 81.25,132.5 83.75,132.5 86.25,132.5 88.75,132.5 91.25,132.5 93.75,132.5 96.25,132.5 98.75,132.5 101.25,132.5 106.25,132.5 108.75,132.5 111.25,132.5 113.75,132.5 116.25,132.5 118.75,132.5 163.75,132.5 166.25,132.5 168.75,132.5 55,135 57.5,135 60,135 62.5,135 122.5,135 130,135 165,135 170,135 172.5,135 177.5,135 56.25,137.5 58.75,137.5 61.25,137.5 63.75,137.5 66.25,137.5 68.75,137.5 71.25,137.5 73.75,137.5 101.25,137.5 106.25,137.5 111.25,137.5 113.75,137.5 116.25,137.5 118.75,137.5 131.25,137.5 161.25,137.5 163.75,137.5 166.25,137.5 168.75,137.5 171.25,137.5 173.75,137.5 55,140 57.5,140 60,140 77.5,140 80,140 82.5,140 85,140 87.5,140 90,140 92.5,140 102.5,140 112.5,140 115,140 117.5,140 120,140 147.5,140 155,140 160,140 162.5,140 165,140 172.5,140 56.25,142.5 58.75,142.5 61.25,142.5 63.75,142.5 66.25,142.5 68.75,142.5 73.75,142.5 78.75,142.5 81.25,142.5 83.75,142.5 86.25,142.5 88.75,142.5 103.75,142.5 106.25,142.5 113.75,142.5 116.25,142.5 118.75,142.5 121.25,142.5 123.75,142.5 163.75,142.5 166.25,142.5 171.25,142.5 173.75,142.5 55,145 57.5,145 60,145 67.5,145 75,145 77.5,145 80,145 82.5,145 85,145 87.5,145 90,145 107.5,145 112.5,145 115,145 117.5,145 120,145 122.5,145 130,145 145,145 150,145 56.25,147.5 58.75,147.5 61.25,147.5 63.75,147.5 66.25,147.5 68.75,147.5 81.25,147.5 83.75,147.5 86.25,147.5 88.75,147.5 106.25,147.5 113.75,147.5 143.75,147.5 148.75,147.5 161.25,147.5 163.75,147.5 55,150 57.5,150 87.5,150 90,150 107.5,150 112.5,150 147.5,150 165,150 172.5,150 56.25,152.5 61.25,152.5 63.75,152.5 66.25,152.5 68.75,152.5 73.75,152.5 81.25,152.5 103.75,152.5 106.25,152.5 116.25,152.5 121.25,152.5 131.25,152.5 133.75,152.5 136.25,152.5 138.75,152.5 148.75,152.5 151.25,152.5 153.75,152.5 55,155 57.5,155 72.5,155 75,155 77.5,155 82.5,155 85,155 87.5,155 90,155 92.5,155 95,155 97.5,155 107.5,155 115,155 135,155 137.5,155 140,155 152.5,155 155,155 157.5,155 160,155 162.5,155 172.5,155 56.25,157.5 61.25,157.5 63.75,157.5 66.25,157.5 68.75,157.5 73.75,157.5 76.25,157.5 81.25,157.5 83.75,157.5 86.25,157.5 88.75,157.5 91.25,157.5 93.75,157.5 96.25,157.5 116.25,157.5 118.75,157.5 136.25,157.5 138.75,157.5 141.25,157.5 143.75,157.5 171.25,157.5 173.75,157.5 178.75,157.5 122.555,158.75 123.825,158.75 125.095,158.75 126.365,158.75 127.635,158.75 128.905,158.75 130.175,158.75 55,160 57.5,160 62.5,160 65,160 67.5,160 70,160 72.5,160 75,160 77.5,160 82.5,160 85,160 90,160 92.5,160 117.5,160 120,160 132.5,160 137.5,160 140,160 142.5,160 145,160 167.5,160 175,160 122.555,160.02 123.825,160.02 125.095,160.02 126.365,160.02 127.635,160.02 128.905,160.02 130.175,160.02 122.555,161.29 123.825,161.29 125.095,161.29 126.365,161.29 127.635,161.29 128.905,161.29 130.175,161.29 56.25,162.5 61.25,162.5 63.75,162.5 66.25,162.5 68.75,162.5 73.75,162.5 76.25,162.5 81.25,162.5 118.75,162.5 133.75,162.5 136.25,162.5 138.75,162.5 141.25,162.5 143.75,162.5 146.25,162.5 161.25,162.5 163.75,162.5 166.25,162.5 168.75,162.5 173.75,162.5 122.555,162.56 123.825,162.56 125.095,162.56 126.365,162.56 127.635,162.56 128.905,162.56 130.175,162.56 122.555,163.83 123.825,163.83 125.095,163.83 126.365,163.83 127.635,163.83 128.905,163.83 130.175,163.83 55,165 57.5,165 60,165 62.5,165 65,165 67.5,165 70,165 72.5,165 75,165 82.5,165 90,165 97.5,165 112.5,165 117.5,165 120,165 132.5,165 137.5,165 140,165 142.5,165 145,165 147.5,165 165,165 170,165 175,165 122.555,165.1 123.825,165.1 125.095,165.1 126.365,165.1 127.635,165.1 128.905,165.1 130.175,165.1 56.25,167.5 58.75,167.5 61.25,167.5 63.75,167.5 66.25,167.5 68.75,167.5 71.25,167.5 86.25,167.5 88.75,167.5 96.25,167.5 98.75,167.5 106.25,167.5 113.75,167.5 118.75,167.5 121.25,167.5 123.75,167.5 126.25,167.5 128.75,167.5 131.25,167.5 133.75,167.5 136.25,167.5 138.75,167.5 141.25,167.5 143.75,167.5 146.25,167.5 161.25,167.5 168.75,167.5 173.75,167.5 55,170 62.5,170 65,170 67.5,170 75,170 77.5,170 82.5,170 85,170 87.5,170 90,170 92.5,170 95,170 97.5,170 107.5,170 137.5,170 140,170 142.5,170 145,170 170,170 172.5,170 175,170 177.5,170 180,170 63.75,172.5 66.25,172.5 68.75,172.5 71.25,172.5 73.75,172.5 76.25,172.5 81.25,172.5 123.75,172.5 138.75,172.5 143.75,172.5 168.75,172.5 181.25,172.5 67.5,175 70,175 72.5,175 75,175 122.5,175 137.5,175 142.5,175 145,175 150,175 152.5,175 157.5,175 160,175 167.5,175 170,175 175,175 68.75,177.5 71.25,177.5 73.75,177.5 76.25,177.5 81.25,177.5 111.25,177.5 113.75,177.5 128.75,177.5 131.25,177.5 133.75,177.5 156.25,177.5 158.75,177.5 168.75,177.5 171.25,177.5 173.75,177.5 65,180 87.5,180 90,180 92.5,180 95,180 97.5,180 100,180 102.5,180 105,180 107.5,180 125,180 137.5,180 145,180 167.5,180 170,180 172.5,180 175,180 177.5,180 180,180
GOUT1: 
GOUT2: 
GOUT3: 
GOUT4: 